# Allegro board 038RT-9068CJK8E-A100_0921_1.brd (continued)
## Nets (continued)
SG0_P5_TXD2: GOLD0.L18(P5_TXD2) K228.3 SG0_P5_TXD2.1(TP)
SG0_P5_TXD3: GOLD0.L19(P5_TXD3) RR923.2 SG0_P5_TXD3.1(TP)
SG0_P5_TXEN: GOLD0.J19(P5_TXEN) RR925.2 SG0_P5_TXEN.1(TP)
SG0_P5_VDDIO: BDG10.1 CG140.1 CG141.1 CG150.1 CG151.1 CG152.1 GOLD0.D18(P5_VDDIO[01]) GOLD0.H18(P5_VDDIO[02]) GOLD0.H19(P5_VDDIO[03])
SG0_P6_CLKREQB: GOLD0.U1(P6_CLKREQB) SG0_P6_CLKREQB.1(TP)
SG0_P6_HSI+: CS107.2 GOLD0.W6(P6_HSIP)
SG0_P6_HSI-: CS108.2 GOLD0.W5(P6_HSIN)
SG0_P6_HSO+: CS102.2 GOLD0.W3(P6_HSOP)
SG0_P6_HSO-: CS101.2 GOLD0.W4(P6_HSON)
SG0_P6_ISOLATEB: GOLD0.U2(P6_ISOLATEB) RSG104.1
SG0_P6_LANWAKEB: GOLD0.T2(P6_LANWAKEB) SG0_P6_LANWAKEB.1(TP)
SG0_P6_LED: GOLD0.M15(P6_LED) SG0_P6_LED.1(TP)
SG0_P6_MDI+: GOLD0.B6(P6_MDIP) T20.3
SG0_P6_MDI-: GOLD0.B5(P6_MDIN) T20.4
SG0_P6_PCIE_RESETB: GOLD0.V1(P6_PCIE_RESETB) RSG105.1
SG0_P6_REFCLK+: GOLD0.V2(P6_REFCLK_P) SG0_P6_REFCLK+.1(TP)
SG0_P6_REFCLK-: GOLD0.V3(P6_REFCLK_N) SG0_P6_REFCLK-.1(TP)
SG0_P7_CLKREQB: GOLD0.R5(P7_CLKREQB) SG0_P7_CLKREQB.1(TP)
SG0_P7_HSI+: CS117.2 GOLD0.W11(P7_HSIP)
SG0_P7_HSI-: CS118.2 GOLD0.W10(P7_HSIN)
SG0_P7_HSO+: CS112.2 GOLD0.W8(P7_HSOP)
SG0_P7_HSO-: CS111.2 GOLD0.W9(P7_HSON)
SG0_P7_ISOLATEB: GOLD0.T4(P7_ISOLATEB) RSG114.1
SG0_P7_LANWAKEB: GOLD0.R4(P7_LANWAKEB) SG0_P7_LANWAKEB.1(TP)
SG0_P7_PCIE_RESETB: GOLD0.T5(P7_PCIE_RESETB) RSG115.1
SG0_P7_REFCLK+: GOLD0.V6(P7_REFCLK_P) SG0_P7_REFCLK+.1(TP)
SG0_P7_REFCLK-: GOLD0.V7(P7_REFCLK_N) SG0_P7_REFCLK-.1(TP)
SG0_PGATE: GOLD0.H5(PGATE) R580.1
SG0_PH_GPIOA_1: RD180.2 RG21.2 SG0_GPIOA1_2.1
SG0_PH_GPIOA_2: RD181.2 RG22.2 SG0_GPIOA1_2.3
SG0_RESETB: GOLD0.T1(RESETB) R70.1 R584.1
SG0_RSET: GOLD0.A10(RSET) R69.1
SG0_RTT: GOLD0.D11(RTT_CKDIG) R56.1
SG0_SPI_CSB: GOLD0.L16(SPI_CSB) RG73.1
SG0_SPI_SCK: GOLD0.P16(SPI_SCK) RG75.1
SG0_SPI_SI: GOLD0.R16(SPI_SIO0) RG76.1
SG0_SPI_SO: GOLD0.M16(SPI_SIO1) RG74.1
SG0_SRC_DVDD09: BDG1.2 BDG2.2 BDG19.2 BDG20.2 CG20.1 CG21.1 CG22.1 CG23.1 CG24.1 CG25.1 CG45.1 CG46.1 CG47.1 CG48.1 CG49.1 CG50.1 CG109.1 CG110.1 CG169.1 CG170.1 CG171.1 CG172.1 CG173.1 CG174.1 CG178.1 CG179.1 CS3.1 CS4.1 RS7.2 S0_DPS_AVDD09.2 S0_DPS_DVDD09.2
SG0_SRC_DVDD33: BDG5.2 BDG8.2 BDG9.2 BDG10.2 C18.1 C19.1 C292.1 CG74.1 CG75.1 CG76.1 CG77.1 CG78.1 CG79.1 CG93.1 CG94.1 CG95.1 CG97.1 CG111.1 CG112.1 CG113.1 CG115.1 CG116.1 CG117.1 CG118.1 CG119.1 CG120.1 CG121.1 CG122.1 CG123.1 CG124.1 CG125.1 CG126.1 CG135.1 CG144.1 CG149.1 CG154.1 CG155.1 CG156.1 CG158.1 CG159.1 CG167.1 CG180.1 CG181.1 CG182.1 CG183.1 R45.2 R46.2 R60.2 R61.2 R63.2 R64.2 R66.2 R67.2 R68.2 R70.2 R71.2 R263.2 R342.2 R344.2 R350.1 R351.2 R554.2 R563.2 R564.2 R565.2 R566.2 R586.2 RG32.2 RG42.2 RG64.2 RG72.2 RS104.1 RS114.1 S0_DPS_AVDD33.2 S0_DPS_DVDD33.2 S0_DPS_GPIO_P015.2 S0_DPS_LDOIN.2
SG0_SWR09_OFFLINE: CS2.1 LX1.2 RB7.1 RS7.1
SG0_TAPSL0: GOLD0.P2(TAPSL0) R45.1 R281.1
SG0_TAPSL1: GOLD0.R2(TAPSL1) R46.1 R282.1
SG0_TCT: C324.1 T13.10(TCT2) T13.15(TCT1)
SG0_U1_FE_MDI+: GOLD0.B8(FE_MDIPA) T13.11(TD2+)
SG0_U1_FE_MDI-: GOLD0.B7(FE_MDINA) T13.9(TD2-)
SG0_U1_FE_MDIX+: GOLD0.A7(FE_MDIPB) T13.16(TD1+)
SG0_U1_FE_MDIX-: GOLD0.A6(FE_MDINB) T13.14(TD1-)
SG0_U2_FE_MDI+: T13.6(MX2+) U6.27(A8)
SG0_U2_FE_MDI-: T13.8(MX2-) U6.28(A9)
SG0_U2_FE_MDIX+: T13.1(MX1+) U6.21(A6)
SG0_U2_FE_MDIX-: T13.3(MX1-) U6.22(A7)
SG0_U3_FE_MDI+: CON3.1(DA+) U6.39(8B1)
SG0_U3_FE_MDI-: CON3.2(DA-) U6.38(9B1)
SG0_U3_FE_MDIX+: CON3.3(DB+) U6.45(6B1)
SG0_U3_FE_MDIX-: CON3.6(DB-) U6.44(7B1)
SG0_U4_GIGA_MDI+: GPHY2.1 K145.3(A0-)
SG0_U4_GIGA_MDI-: GPHY2.2 K145.2(A0+)
SG0_VBAT: CG326.1 CG327.1 GOLD0.G7(VBAT) RG1.1 SG0_VBAT.1(TP)
SG0_VDC: C13.1 R18.1 S0_PH_VBAT.2 SG0_VDC.1(TP)
SG0_VO09: GOLD0.G4(VO09) R583.1
SG0_VSENSE: GOLD0.F4(VSENSE) R582.1
SG0_WAKE: GOLD0.K4(WAKE) R26.1
SG0_WP: GOLD0.K16(SPI_SIO2) RG77.1
SG1_1_P0_MDI+: UNK1C180.1 UNK1T2.1
SG1_1_P0_MDI-: UNK1C179.1 UNK1T2.2
SG1_1_P1_MDI+: UNK1C184.1 UNK1T3.1
SG1_1_P1_MDI-: UNK1C183.1 UNK1T3.2
SG1_1_P1_TXD0: UNK1K225.4 UNK1RR520.2
SG1_1_P1_TXD1: UNK1K225.5 UNK1RR521.2
SG1_1_P1_TXD2: UNK1K226.4 UNK1RR522.2
SG1_1_P1_TXD3: UNK1K226.5 UNK1RR523.2
SG1_1_P2_GIGA_MDI+: UNK1C422.1 UNK1T24.1
SG1_1_P2_GIGA_MDI-: UNK1C421.1 UNK1T24.2
SG1_1_P3_GIGA_MDI+: UNK1C431.1 UNK1T25.1
SG1_1_P3_GIGA_MDI-: UNK1C430.1 UNK1T25.2
SG1_1_P5_MDI+: UNK1C401.1 UNK1T21.2
SG1_1_P5_MDI-: UNK1C405.1 UNK1T21.1
SG1_1_P5_TXD0: UNK1K227.4 UNK1RR920.2
SG1_1_P5_TXD1: UNK1K227.5 UNK1RR921.2
SG1_1_P5_TXD2: UNK1K228.4 UNK1RR922.2
SG1_1_P6_MDI+: UNK1C407.1 UNK1T20.2
SG1_1_P6_MDI-: UNK1C402.1 UNK1T20.1
SG1_2_P0_MDI+: UNK1C180.2 UNK1R139.1 UNK1U18.6
SG1_2_P0_MDI-: UNK1C179.2 UNK1R140.1 UNK1U18.7
SG1_2_P0_RC: UNK1C181.1 UNK1R6.1 UNK1R139.2 UNK1R140.2
SG1_2_P1_MDI+: UNK1C184.2 UNK1R141.1 UNK1U18.12
SG1_2_P1_MDI-: UNK1C183.2 UNK1R142.1 UNK1U18.13
SG1_2_P1_RC: UNK1C182.1 UNK1R7.1 UNK1R141.2 UNK1R142.2
SG1_2_P2_GIGA_MDI+: UNK1C422.2 UNK1K144.15 UNK1R517.1
SG1_2_P2_GIGA_MDI-: UNK1C421.2 UNK1K144.16 UNK1R518.1
SG1_2_P2_RC: UNK1C427.1 UNK1R517.2 UNK1R518.2 UNK1R519.1
SG1_2_P3_GIGA_MDI+: UNK1C431.2 UNK1K144.6 UNK1R536.1
SG1_2_P3_GIGA_MDI-: UNK1C430.2 UNK1K144.7 UNK1R537.1
SG1_2_P3_RC: UNK1C436.1 UNK1R536.2 UNK1R537.2 UNK1R538.1
SG1_2_P5_MDI+: UNK1C401.2 UNK1R474.1 UNK1U18.18
SG1_2_P5_MDI-: UNK1C405.2 UNK1R470.1 UNK1U18.19
SG1_2_P5_RC: UNK1C406.1 UNK1R9.1 UNK1R470.2 UNK1R474.2
SG1_2_P6_MDI+: UNK1C407.2 UNK1R475.1 UNK1U18.21
SG1_2_P6_MDI-: UNK1C402.2 UNK1R473.1 UNK1U18.22
SG1_2_P6_RC: UNK1C399.1 UNK1R19.1 UNK1R473.2 UNK1R475.2
SG1_3_P2_GIGA_MDI+: UNK1K144.27 UNK1K145.33
SG1_3_P2_GIGA_MDI-: UNK1K144.26 UNK1K145.34
SG1_3_P3_GIGA_MDI+: UNK1K144.36 UNK1K145.37
SG1_3_P3_GIGA_MDI-: UNK1K144.35 UNK1K145.38
SG1_3PI_P0_MDI+: UNK1MQS1.6 UNK1U18.61
SG1_3PI_P0_MDI-: UNK1MQS1.7 UNK1U18.60
SG1_3PI_P1_MDI+: UNK1MQS1.15 UNK1U18.55
SG1_3PI_P1_MDI-: UNK1MQS1.16 UNK1U18.54
SG1_3PI_P5_MDI+: UNK1MQS1.8 UNK1U18.49
SG1_3PI_P5_MDI-: UNK1MQS1.9 UNK1U18.48
SG1_3PI_P6_MDI+: UNK1MQS1.17 UNK1U18.45
SG1_3PI_P6_MDI-: UNK1MQS1.18 UNK1U18.44
SG1_AT+: GOLD1.B15(ATP) UNK1R579.1
SG1_AT-: GOLD1.B16(ATN) UNK1R578.1
SG1_AVDD09: GOLD1.A8(AVDD09_FE[01]) GOLD1.D8(AVDD09_FE[02]) GOLD1.D15(AVDD09_MCK[01]) GOLD1.D16(AVDD09_GIGA[01]) GOLD1.E4(AVDD09[01]) GOLD1.E5(AVDD09[02]) GOLD1.E15(AVDD09_MCK[02]) GOLD1.E16(AVDD09_GIGA[02]) GOLD1.T13(AVDD09_SGMII[01]) GOLD1.T14(AVDD09_SGMII[02]) GOLD1.V4(AVDD09_RX[01]) GOLD1.V5(AVDD09_RX[02]) GOLD1.V8(AVDD09_CMU[01]) GOLD1.V9(AVDD09_CMU[02]) GOLD1.V10(AVDD09_TX[01]) GOLD1.V11(AVDD09_TX[02]) SG1_AVDD09.1(TP) UNK1BDG2.1 UNK1CG26.1 UNK1CG27.1 UNK1CG28.1 UNK1CG29.1 UNK1CG30.1 UNK1CG31.1 UNK1CG32.1 UNK1CG33.1 UNK1CG34.1 UNK1CG35.1 UNK1CG36.1 UNK1CG37.1 UNK1CG38.1 UNK1CG39.1 UNK1CG40.1 UNK1CG41.1 UNK1CG42.1 UNK1CG43.1 UNK1CG44.1 UNK1CG82.1 UNK1CG86.1
SG1_AVDD33: GOLD1.B12(AVDD33_XTAL[01]) GOLD1.B13(AVDD33_XTAL[02]) GOLD1.B14(AVDD33_CEN) GOLD1.B17(AVDD33_MCK[01]) GOLD1.B18(AVDD33_MCK[02]) GOLD1.D4(AVDD33[01]) GOLD1.D5(AVDD33[02]) GOLD1.D6(AVDD33_DIG[01]) GOLD1.D7(AVDD33_FE[01]) GOLD1.E6(AVDD33_DIG[02]) GOLD1.E7(AVDD33_FE[02]) GOLD1.E11(AVDD33_CKDIG) GOLD1.F15(AVDD33_P2[01]) GOLD1.F16(AVDD33_P3[01]) GOLD1.G5(AVDD33_PCTL) GOLD1.G15(AVDD33_P2[02]) GOLD1.G16(AVDD33_P3[02]) GOLD1.T9(AVDD33_CMU[01]) GOLD1.T10(AVDD33_CMU[02]) GOLD1.T15(AVDD33_SGMII[01]) GOLD1.T16(AVDD33_SGMII[02]) GOLD1.V16(AVDD33_SGMII[03]) SG1_AVDD33.1(TP) UNK1CG51.1 UNK1CG52.1 UNK1CG53.1 UNK1CG54.1 UNK1CG55.1 UNK1CG56.1 UNK1CG57.1 UNK1CG58.1 UNK1CG59.1 UNK1CG60.1 UNK1CG61.1 UNK1CG62.1 UNK1CG63.1 UNK1CG64.1 UNK1CG65.1 UNK1CG66.1 UNK1CG67.1 UNK1CG68.1 UNK1CG69.1 UNK1CG70.1 UNK1CG71.1 UNK1CG72.1 UNK1CG73.1 UNK1CG87.1 UNK1CG88.1 UNK1RG32.1
SG1_AVDD33_MOSFET: GOLD1.J5(AVDD33MOSFET) SG1_AVDD33_MOSFET.1(TP) UNK1BDG5.1 UNK1CG90.1 UNK1CG96.1 UNK1CG114.1
SG1_C_P4_HSI+: UNK1CS64.1 UNK1K184.35
SG1_C_P4_HSI-: UNK1CS63.1 UNK1K184.36
SG1_C_P4_HSO+: UNK1CS62.1 UNK1K184.37
SG1_C_P4_HSO-: UNK1CS61.1 UNK1K184.38
SG1_C_P5_HSI+: UNK1CS74.1 UNK1K184.26
SG1_C_P5_HSI-: UNK1CS73.1 UNK1K184.27
SG1_C_P5_HSO+: UNK1CS72.1 UNK1K184.28
SG1_C_P5_HSO-: UNK1CS71.1 UNK1K184.29
SG1_C_P6_HSI+: UNK1CS107.1 UNK1K217.27
SG1_C_P6_HSI-: UNK1CS108.1 UNK1K217.26
SG1_C_P6_HSO+: UNK1CS102.1 UNK1K214.26
SG1_C_P6_HSO-: UNK1CS101.1 UNK1K214.27
SG1_C_P7_HSI+: UNK1CS117.1 UNK1K217.29
SG1_C_P7_HSI-: UNK1CS118.1 UNK1K217.28
SG1_C_P7_HSO+: UNK1CS112.1 UNK1K214.28
SG1_C_P7_HSO-: UNK1CS111.1 UNK1K214.29
SG1_CKXTAL1: GOLD1.A13(XI) UNK1C75.2 UNK1Y6.3
SG1_CKXTAL2: GOLD1.A12(XO) UNK1C76.2 UNK1Y6.1
SG1_DCH_TDO: GOLD1.H16(TDO) MUX16.3(S2A)
SG1_DISB: GOLD1.R1(DISB) UNK1R71.1
SG1_DVDD09: GOLD1.G8(DVDD09[01]) GOLD1.H9(DVDD09[02]) GOLD1.J9(DVDD09[03]) GOLD1.K9(DVDD09[04]) GOLD1.L9(DVDD09[05]) GOLD1.M10(DVDD09[06]) GOLD1.M11(DVDD09[07]) GOLD1.M12(DVDD09[08]) GOLD1.N10(DVDD09[09]) GOLD1.N11(DVDD09[10]) GOLD1.N12(DVDD09[11]) SG1_DVDD09.1(TP) UNK1BDG1.1 UNK1BDG19.1 UNK1BDG20.1 UNK1CG1.1 UNK1CG2.1 UNK1CG3.1 UNK1CG4.1 UNK1CG5.1 UNK1CG6.1 UNK1CG7.1 UNK1CG8.1 UNK1CG9.1 UNK1CG10.1 UNK1CG11.1 UNK1CG12.1 UNK1CG13.1 UNK1CG14.1 UNK1CG15.1 UNK1CG16.1 UNK1CG17.1 UNK1CG18.1 UNK1CG19.1 UNK1CG80.1 UNK1CG81.1
SG1_DVDD33: GOLD1.M13(DVDD33[01]) GOLD1.N13(DVDD33[02]) SG1_DVDD33.1(TP) UNK1CG83.1 UNK1CG84.1 UNK1CG85.1 UNK1CG89.1 UNK1CG91.1 UNK1CG92.1 UNK1CG100.1 UNK1CG142.1 UNK1RG42.1
SG1_FE_LED0: GOLD1.N15(FE_LED0) SG1_FE_LED0.1(TP)
SG1_FE_LED1: GOLD1.P15(FE_LED1) SG1_FE_LED1.1(TP)
SG1_GPIO_VDDIO: GOLD1.L7(GPIO0_VDDIO) GOLD1.M9(GPIO1_VDDIO) GOLD1.R6(MAC_VDDIO[01]) GOLD1.R15(SPI_VDDIO) GOLD1.T6(MAC_VDDIO[02]) SG1_GPIO_VDDIO.1(TP) UNK1CG108.1 UNK1CG127.1 UNK1CG128.1 UNK1CG129.1 UNK1CG130.1 UNK1CG131.1 UNK1CG132.1 UNK1CG133.1 UNK1CG134.1 UNK1CG143.1 UNK1RG64.1
SG1_GPIOA_0: GOLD1.L1(GPIOA_0) SG1_GPIOA_0.1(TP)
SG1_GPIOA_1: GOLD1.M1(GPIOA_1) UNK1R348.1 UNK1RG21.1
SG1_GPIOA_2: GOLD1.N1(GPIOA_2) UNK1R347.1 UNK1RG22.1
SG1_GPIOA_3: GOLD1.P1(GPIOA_3) SG1_GPIOA3.1(TP) UNK1R60.1 UNK1R552.2
SG1_GPIOB_0: GOLD1.L2(GPIOB_0) UNK1R61.1 UNK1R264.1
SG1_GPIOB_1: GOLD1.M2(GPIOB_1) UNK1R62.1 UNK1R263.1
SG1_GPIOB_2: GOLD1.N2(GPIOB_2) UNK1R553.1
SG1_GPIOC_0: GOLD1.L4(GPIOC_0) UNK1R63.1 UNK1R568.1
SG1_GPIOC_1: GOLD1.L5(GPIOC_1) UNK1R64.1 UNK1R569.1
SG1_GPIOC_2: GOLD1.M4(GPIOC_2) UNK1R66.1 UNK1R570.1
SG1_GPIOC_3: GOLD1.M5(GPIOC_3) UNK1R68.1 UNK1R571.1
SG1_GPIOC_4: GOLD1.N4(GPIOC_4) UNK1R67.1 UNK1R572.1
SG1_GPIOC_5: GOLD1.N5(GPIOC_5) UNK1R554.1 UNK1R573.1
SG1_GPIOD_0: GOLD1.P4(GPIOD_0) UNK1R555.1
SG1_GPIOD_1: GOLD1.P5(GPIOD_1) UNK1R556.1
SG1_GPIOD_2: GOLD1.R9(GPIOD_2) UNK1R557.1
SG1_GPIOE_0: GOLD1.R7(GPIOE_0) UNK1R558.1
SG1_GPIOE_1: GOLD1.R8(GPIOE_1) UNK1R559.1
SG1_GPIOE_2: GOLD1.N7(GPIOE_2) UNK1R560.1
SG1_GPIOE_3: GOLD1.M7(GPIOE_3) UNK1R561.1
SG1_GPIOE_4: GOLD1.N8(GPIOE_4) UNK1R562.1
SG1_GPIOF_0: GOLD1.M8(GPIOF_0) UNK1R563.1 UNK1R577.1
SG1_GPIOF_1: GOLD1.L8(GPIOF_1) UNK1R564.1 UNK1R576.1
SG1_GPIOF_2: GOLD1.K8(GPIOF_2) UNK1R565.1 UNK1R575.1
SG1_GPIOF_3: GOLD1.J8(GPIOF_3) UNK1R566.1 UNK1R574.1
SG1_GPIOF_4: GOLD1.N9(GPIOF_4) UNK1R567.1
SG1_HL_P1_TXD0: UNK1K225.2 UNK1RRG51.1 UNK1RRG52.1
SG1_HL_P1_TXD1: UNK1K225.7 UNK1RRG53.1 UNK1RRG54.1
SG1_HL_P1_TXD2: UNK1K226.2 UNK1RRG55.1 UNK1RRG56.1
SG1_HL_P1_TXD3: UNK1K226.7 UNK1RRG57.1 UNK1RRG58.1
SG1_HL_P5_TXD0: UNK1K227.2 UNK1RRG91.1 UNK1RRG92.1
SG1_HL_P5_TXD1: UNK1K227.7 UNK1RRG93.1 UNK1RRG94.1
SG1_HL_P5_TXD2: UNK1K228.2 UNK1RRG95.1 UNK1RRG96.1
SG1_HOLD: GOLD1.N16(SPI_SIO3) UNK1RG78.1
SG1_INH: GOLD1.J4(INH) SG1_INH.1(TP) UNK1R24.1
SG1_LDOIN: GOLD1.H12(P5_LDOIN[01]) GOLD1.H13(P1_LDOIN[01]) GOLD1.J7(P0_LDOIN[01]) GOLD1.J12(P5_LDOIN[02]) GOLD1.J13(P1_LDOIN[02]) GOLD1.K7(P0_LDOIN[02]) SG1_LDOIN.1(TP) UNK1CG98.1 UNK1CG99.1 UNK1CG161.1 UNK1CG162.1 UNK1CG163.1 UNK1CG164.1 UNK1CG165.1 UNK1CG166.1 UNK1RG72.1
SG1_MCT1: UNK1R135.1 UNK1T13.2
SG1_MCT2: UNK1R136.1 UNK1T13.7
SG1_MCT_RC: UNK1C119.1 UNK1R135.2 UNK1R136.2
SG1_NGATE: GOLD1.F5(NGATE) UNK1R581.1
SG1_P0_LDOOUT: GOLD1.H7(P0_LDOOUT[01]) GOLD1.H8(P0_LDOOUT[02]) SG1_P0_LDOOUT.1(TP) UNK1CG101.1
SG1_P0_LED: GOLD1.H15(P0_LED) SG1_P0_LED.1(TP)
SG1_P0_MDI+: GOLD1.A3(P0_MDIP) UNK1T2.4
SG1_P0_MDI-: GOLD1.A2(P0_MDIN) UNK1T2.3
SG1_P0_RXC: GOLD1.G1(P0_RXC) SG1_P0_RXC.1(TP) UNK1K181.7
SG1_P0_RXD0: GOLD1.K2(P0_RXD0) SG1_P0_RXD0.1(TP) UNK1K180.7
SG1_P0_RXD1: GOLD1.K1(P0_RXD1) SG1_P0_RXD1.1(TP) UNK1K181.2
SG1_P0_RXD2: GOLD1.J2(P0_RXD2) SG1_P0_RXD2.1(TP) UNK1K182.2
SG1_P0_RXD3: GOLD1.J1(P0_RXD3) SG1_P0_RXD3.1(TP) UNK1K183.2
SG1_P0_RXDV: GOLD1.H2(P0_RXDV) SG1_P0_RXDV.1(TP) UNK1K180.2
SG1_P0_TESTD: GOLD1.G2(P0_TESTD) UNK1RRG49.1
SG1_P0_TXC: GOLD1.E2(P0_TXC) SG1_P0_TXC.1(TP) UNK1K233.2
SG1_P0_TXD0: GOLD1.D2(P0_TXD0) SG1_P0_TXD0.1(TP) UNK1K182.7
SG1_P0_TXD1: GOLD1.D1(P0_TXD1) SG1_P0_TXD1.1(TP) UNK1K231.7
SG1_P0_TXD2: GOLD1.C2(P0_TXD2) SG1_P0_TXD2.1(TP) UNK1K233.7
SG1_P0_TXD3: GOLD1.C1(P0_TXD3) SG1_P0_TXD3.1(TP) UNK1K232.2
SG1_P0_TXEN: GOLD1.E1(P0_TXEN) SG1_P0_TXEN.1(TP) UNK1K232.7
SG1_P0_VDDIO: GOLD1.B1(P0_VDDIO[01]) GOLD1.F1(P0_VDDIO[02]) GOLD1.F2(P0_VDDIO[03]) UNK1BDG8.1 UNK1CG104.1 UNK1CG105.1 UNK1CG136.1 UNK1CG137.1 UNK1CG138.1 UNK1CG139.1
SG1_P1_LDOOUT: GOLD1.K13(P1_LDOOUT[01]) GOLD1.L13(P1_LDOOUT[02]) SG1_P1_LDOOUT.1(TP) UNK1CG102.1
SG1_P1_LED: GOLD1.J16(P1_LED) SG1_P1_LED.1(TP)
SG1_P1_MDI+: GOLD1.B4(P1_MDIP) UNK1T3.4
SG1_P1_MDI-: GOLD1.B3(P1_MDIN) UNK1T3.3
SG1_P1_RXC: GOLD1.R18(P1_RXC) SG1_P1_RXC.1(TP) UNK1RR504.2
SG1_P1_RXD0: GOLD1.M18(P1_RXD0) SG1_P1_RXD0.1(TP) UNK1RR500.2
SG1_P1_RXD1: GOLD1.M19(P1_RXD1) SG1_P1_RXD1.1(TP) UNK1RR501.2
SG1_P1_RXD2: GOLD1.N18(P1_RXD2) SG1_P1_RXD2.1(TP) UNK1RR502.2
SG1_P1_RXD3: GOLD1.N19(P1_RXD3) SG1_P1_RXD3.1(TP) UNK1RR503.2
SG1_P1_RXDV: GOLD1.P18(P1_RXDV) SG1_P1_RXDV.1(TP) UNK1RR505.2
SG1_P1_TESTD: GOLD1.U18(P1_TESTD) UNK1RRG59.1
SG1_P1_TXC: GOLD1.T19(P1_TXC) SG1_P1_TXC.1(TP) UNK1RR524.2
SG1_P1_TXD0: GOLD1.V19(P1_TXD0) SG1_P1_TXD0.1(TP) UNK1K225.3
SG1_P1_TXD1: GOLD1.V18(P1_TXD1) SG1_P1_TXD1.1(TP) UNK1K225.6
SG1_P1_TXD2: GOLD1.W18(P1_TXD2) SG1_P1_TXD2.1(TP) UNK1K226.3
SG1_P1_TXD3: GOLD1.V17(P1_TXD3) SG1_P1_TXD3.1(TP) UNK1K226.6
SG1_P1_TXEN: GOLD1.U19(P1_TXEN) SG1_P1_TXEN.1(TP) UNK1RR525.2
SG1_P1_VDDIO: GOLD1.R19(P1_VDDIO[01]) GOLD1.T18(P1_VDDIO[02]) UNK1BDG9.1 UNK1CG106.1 UNK1CG107.1 UNK1CG145.1 UNK1CG146.1 UNK1CG147.1 UNK1CG148.1
SG1_P2_GIGA_MDI+: GOLD1.A16(P2_GIGA_MDIP) UNK1T24.4
SG1_P2_GIGA_MDI-: GOLD1.A15(P2_GIGA_MDIN) UNK1T24.3
SG1_P2_LED: GOLD1.J15(P2_LED) SG1_P2_LED.1(TP)
SG1_P3_GIGA_MDI+: GOLD1.A18(P3_GIGA_MDIP) UNK1T25.4
SG1_P3_GIGA_MDI-: GOLD1.A17(P3_GIGA_MDIN) UNK1T25.3
SG1_P3_LED: GOLD1.K15(P3_LED) SG1_P3_LED.1(TP)
SG1_P4_HSI+: GOLD1.V12(P4_HSIP) UNK1CS64.2
SG1_P4_HSI-: GOLD1.V13(P4_HSIN) UNK1CS63.2
SG1_P4_HSO+: GOLD1.W13(P4_HSOP) UNK1CS62.2
SG1_P4_HSO-: GOLD1.W14(P4_HSON) UNK1CS61.2
SG1_P5_HSI+: GOLD1.V14(P5_HSIP) UNK1CS74.2
SG1_P5_HSI-: GOLD1.V15(P5_HSIN) UNK1CS73.2
SG1_P5_HSO+: GOLD1.W15(P5_HSOP) UNK1CS72.2
SG1_P5_HSO-: GOLD1.W16(P5_HSON) UNK1CS71.2
SG1_P5_LDOOUT: GOLD1.K12(P5_LDOOUT[01]) GOLD1.L12(P5_LDOOUT[02]) SG1_P5_LDOOUT.1(TP) UNK1CG103.1
SG1_P5_LED: GOLD1.L15(P5_LED) SG1_P5_LED.1(TP)
SG1_P5_MDI+: GOLD1.A5(P5_MDIP) UNK1T21.3
SG1_P5_MDI-: GOLD1.A4(P5_MDIN) UNK1T21.4
SG1_P5_RXC: GOLD1.G19(P5_RXC) SG1_P5_RXC.1(TP) UNK1RR904.2
SG1_P5_RXD0: GOLD1.D19(P5_RXD0) SG1_P5_RXD0.1(TP) UNK1RR900.2
SG1_P5_RXD1: GOLD1.E18(P5_RXD1) SG1_P5_RXD1.1(TP) UNK1RR901.2
SG1_P5_RXD2: GOLD1.E19(P5_RXD2) SG1_P5_RXD2.1(TP) UNK1RR902.2
SG1_P5_RXD3: GOLD1.F18(P5_RXD3) SG1_P5_RXD3.1(TP) UNK1RR903.2
SG1_P5_RXDV: GOLD1.F19(P5_RXDV) SG1_P5_RXDV.1(TP) UNK1RR905.2
SG1_P5_TXC: GOLD1.J18(P5_TXC) SG1_P5_TXC.1(TP) UNK1RR924.2
SG1_P5_TXD0: GOLD1.K18(P5_TXD0) SG1_P5_TXD0.1(TP) UNK1K227.3
SG1_P5_TXD1: GOLD1.K19(P5_TXD1) SG1_P5_TXD1.1(TP) UNK1K227.6
SG1_P5_TXD2: GOLD1.L18(P5_TXD2) SG1_P5_TXD2.1(TP) UNK1K228.3
SG1_P5_TXD3: GOLD1.L19(P5_TXD3) SG1_P5_TXD3.1(TP) UNK1RR923.2
SG1_P5_TXEN: GOLD1.J19(P5_TXEN) SG1_P5_TXEN.1(TP) UNK1RR925.2
SG1_P5_VDDIO: GOLD1.D18(P5_VDDIO[01]) GOLD1.H18(P5_VDDIO[02]) GOLD1.H19(P5_VDDIO[03]) UNK1BDG10.1 UNK1CG140.1 UNK1CG141.1 UNK1CG150.1 UNK1CG151.1 UNK1CG152.1
SG1_P6_CLKREQB: GOLD1.U1(P6_CLKREQB) SG1_P6_CLKREQB.1(TP)
SG1_P6_HSI+: GOLD1.W6(P6_HSIP) UNK1CS107.2
SG1_P6_HSI-: GOLD1.W5(P6_HSIN) UNK1CS108.2
SG1_P6_HSO+: GOLD1.W3(P6_HSOP) UNK1CS102.2
SG1_P6_HSO-: GOLD1.W4(P6_HSON) UNK1CS101.2
SG1_P6_ISOLATEB: GOLD1.U2(P6_ISOLATEB) UNK1RSG104.1
SG1_P6_LANWAKEB: GOLD1.T2(P6_LANWAKEB) SG1_P6_LANWAKEB.1(TP)
SG1_P6_LED: GOLD1.M15(P6_LED) SG1_P6_LED.1(TP)
SG1_P6_MDI+: GOLD1.B6(P6_MDIP) UNK1T20.3
SG1_P6_MDI-: GOLD1.B5(P6_MDIN) UNK1T20.4
SG1_P6_PCIE_RESETB: GOLD1.V1(P6_PCIE_RESETB) UNK1RSG105.1
SG1_P6_REFCLK+: GOLD1.V2(P6_REFCLK_P) SG1_P6_REFCLK+.1(TP)
SG1_P6_REFCLK-: GOLD1.V3(P6_REFCLK_N) SG1_P6_REFCLK-.1(TP)
SG1_P7_CLKREQB: GOLD1.R5(P7_CLKREQB) SG1_P7_CLKREQB.1(TP)
SG1_P7_HSI+: GOLD1.W11(P7_HSIP) UNK1CS117.2
SG1_P7_HSI-: GOLD1.W10(P7_HSIN) UNK1CS118.2
SG1_P7_HSO+: GOLD1.W8(P7_HSOP) UNK1CS112.2
SG1_P7_HSO-: GOLD1.W9(P7_HSON) UNK1CS111.2
SG1_P7_ISOLATEB: GOLD1.T4(P7_ISOLATEB) UNK1RSG114.1
SG1_P7_LANWAKEB: GOLD1.R4(P7_LANWAKEB) SG1_P7_LANWAKEB.1(TP)
SG1_P7_PCIE_RESETB: GOLD1.T5(P7_PCIE_RESETB) UNK1RSG115.1
SG1_P7_REFCLK+: GOLD1.V6(P7_REFCLK_P) SG1_P7_REFCLK+.1(TP)
SG1_P7_REFCLK-: GOLD1.V7(P7_REFCLK_N) SG1_P7_REFCLK-.1(TP)
SG1_PGATE: GOLD1.H5(PGATE) UNK1R580.1
SG1_PH_GPIOA_1: SG1_GPIOA1_2.1 UNK1RD180.2 UNK1RG21.2
SG1_PH_GPIOA_2: SG1_GPIOA1_2.3 UNK1RD181.2 UNK1RG22.2
SG1_RESETB: GOLD1.T1(RESETB) UNK1R70.1 UNK1R584.1
SG1_RSET: GOLD1.A10(RSET) UNK1R69.1
SG1_RTT: GOLD1.D11(RTT_CKDIG) UNK1R56.1
SG1_SPI_CSB: GOLD1.L16(SPI_CSB) UNK1RG73.1
SG1_SPI_SCK: GOLD1.P16(SPI_SCK) UNK1RG75.1
SG1_SPI_SI: GOLD1.R16(SPI_SIO0) UNK1RG76.1
SG1_SPI_SO: GOLD1.M16(SPI_SIO1) UNK1RG74.1
SG1_SRC_DVDD09: S1_DPS_AVDD09.2 S1_DPS_DVDD09.2 UNK1BDG1.2 UNK1BDG2.2 UNK1BDG19.2 UNK1BDG20.2 UNK1CG20.1 UNK1CG21.1 UNK1CG22.1 UNK1CG23.1 UNK1CG24.1 UNK1CG25.1 UNK1CG45.1 UNK1CG46.1 UNK1CG47.1 UNK1CG48.1 UNK1CG49.1 UNK1CG50.1 UNK1CG109.1 UNK1CG110.1 UNK1CG169.1 UNK1CG170.1 UNK1CG171.1 UNK1CG172.1 UNK1CG173.1 UNK1CG174.1 UNK1CG178.1 UNK1CG179.1 UNK1CS3.1 UNK1CS4.1 UNK1RS7.2
SG1_SRC_DVDD33: S1_DPS_AVDD33.2 S1_DPS_DVDD33.2 S1_DPS_GPIO_P015.2 S1_DPS_LDOIN.2 UNK1BDG5.2 UNK1BDG8.2 UNK1BDG9.2 UNK1BDG10.2 UNK1C18.1 UNK1C19.1 UNK1C292.1 UNK1CG74.1 UNK1CG75.1 UNK1CG76.1 UNK1CG77.1 UNK1CG78.1 UNK1CG79.1 UNK1CG93.1 UNK1CG94.1 UNK1CG95.1 UNK1CG97.1 UNK1CG111.1 UNK1CG112.1 UNK1CG113.1 UNK1CG115.1 UNK1CG116.1 UNK1CG117.1 UNK1CG118.1 UNK1CG119.1 UNK1CG120.1 UNK1CG121.1 UNK1CG122.1 UNK1CG123.1 UNK1CG124.1 UNK1CG125.1 UNK1CG126.1 UNK1CG135.1 UNK1CG144.1 UNK1CG149.1 UNK1CG154.1 UNK1CG155.1 UNK1CG156.1 UNK1CG158.1 UNK1CG159.1 UNK1CG167.1 UNK1CG180.1 UNK1CG181.1 UNK1CG182.1 UNK1CG183.1 UNK1R45.2 UNK1R46.2 UNK1R60.2 UNK1R61.2 UNK1R63.2 UNK1R64.2 UNK1R66.2 UNK1R67.2 UNK1R68.2 UNK1R70.2 UNK1R71.2 UNK1R263.2 UNK1R342.2 UNK1R344.2 UNK1R350.1 UNK1R351.2 UNK1R554.2 UNK1R563.2 UNK1R564.2 UNK1R565.2 UNK1R566.2 UNK1R586.2 UNK1RG32.2 UNK1RG42.2 UNK1RG64.2 UNK1RG72.2 UNK1RS104.1 UNK1RS114.1
SG1_SWR09_OFFLINE: UNK1CS2.1 UNK1LX1.2 UNK1RB7.1 UNK1RS7.1
SG1_TAPSL0: GOLD1.P2(TAPSL0) UNK1R45.1 UNK1R281.1
SG1_TAPSL1: GOLD1.R2(TAPSL1) UNK1R46.1 UNK1R282.1
SG1_TCT: UNK1C324.1 UNK1T13.10 UNK1T13.15
SG1_U1_FE_MDI+: GOLD1.B8(FE_MDIPA) UNK1T13.11
SG1_U1_FE_MDI-: GOLD1.B7(FE_MDINA) UNK1T13.9
SG1_U1_FE_MDIX+: GOLD1.A7(FE_MDIPB) UNK1T13.16
SG1_U1_FE_MDIX-: GOLD1.A6(FE_MDINB) UNK1T13.14
SG1_U2_FE_MDI+: UNK1T13.6 UNK1U6.27
SG1_U2_FE_MDI-: UNK1T13.8 UNK1U6.28
SG1_U2_FE_MDIX+: UNK1T13.1 UNK1U6.21
SG1_U2_FE_MDIX-: UNK1T13.3 UNK1U6.22
SG1_U3_FE_MDI+: UNK1CON3.1 UNK1U6.39
SG1_U3_FE_MDI-: UNK1CON3.2 UNK1U6.38
SG1_U3_FE_MDIX+: UNK1CON3.3 UNK1U6.45
SG1_U3_FE_MDIX-: UNK1CON3.6 UNK1U6.44
SG1_U4_GIGA_MDI+: UNK1GPHY2.1 UNK1K145.3
SG1_U4_GIGA_MDI-: UNK1GPHY2.2 UNK1K145.2
SG1_VBAT: GOLD1.G7(VBAT) SG1_VBAT.1(TP) UNK1CG326.1 UNK1CG327.1 UNK1RG1.1
SG1_VDC: S1_PH_VBAT.2 SG1_VDC.1(TP) UNK1C13.1 UNK1R18.1
SG1_VO09: GOLD1.G4(VO09) UNK1R583.1
SG1_VSENSE: GOLD1.F4(VSENSE) UNK1R582.1
SG1_WAKE: GOLD1.K4(WAKE) UNK1R26.1
SG1_WP: GOLD1.K16(SPI_SIO2) UNK1RG77.1
SG2_1_P0_MDI+: UNK2C180.1 UNK2T2.1
SG2_1_P0_MDI-: UNK2C179.1 UNK2T2.2
SG2_1_P1_MDI+: UNK2C184.1 UNK2T3.1
SG2_1_P1_MDI-: UNK2C183.1 UNK2T3.2
SG2_1_P1_TXD0: UNK2K225.4 UNK2RR520.2
SG2_1_P1_TXD1: UNK2K225.5 UNK2RR521.2
SG2_1_P1_TXD2: UNK2K226.4 UNK2RR522.2
SG2_1_P1_TXD3: UNK2K226.5 UNK2RR523.2
SG2_1_P2_GIGA_MDI+: UNK2C422.1 UNK2T24.1
SG2_1_P2_GIGA_MDI-: UNK2C421.1 UNK2T24.2
SG2_1_P3_GIGA_MDI+: UNK2C431.1 UNK2T25.1
SG2_1_P3_GIGA_MDI-: UNK2C430.1 UNK2T25.2
SG2_1_P5_MDI+: UNK2C401.1 UNK2T21.2
SG2_1_P5_MDI-: UNK2C405.1 UNK2T21.1
SG2_1_P5_TXD0: UNK2K227.4 UNK2RR920.2
SG2_1_P5_TXD1: UNK2K227.5 UNK2RR921.2
SG2_1_P5_TXD2: UNK2K228.4 UNK2RR922.2
SG2_1_P6_MDI+: UNK2C407.1 UNK2T20.2
SG2_1_P6_MDI-: UNK2C402.1 UNK2T20.1
SG2_2_P0_MDI+: UNK2C180.2 UNK2R139.1 UNK2U18.6
SG2_2_P0_MDI-: UNK2C179.2 UNK2R140.1 UNK2U18.7
SG2_2_P0_RC: UNK2C181.1 UNK2R6.1 UNK2R139.2 UNK2R140.2
SG2_2_P1_MDI+: UNK2C184.2 UNK2R141.1 UNK2U18.12
SG2_2_P1_MDI-: UNK2C183.2 UNK2R142.1 UNK2U18.13
SG2_2_P1_RC: UNK2C182.1 UNK2R7.1 UNK2R141.2 UNK2R142.2
SG2_2_P2_GIGA_MDI+: UNK2C422.2 UNK2K144.15 UNK2R517.1
SG2_2_P2_GIGA_MDI-: UNK2C421.2 UNK2K144.16 UNK2R518.1
SG2_2_P2_RC: UNK2C427.1 UNK2R517.2 UNK2R518.2 UNK2R519.1
SG2_2_P3_GIGA_MDI+: UNK2C431.2 UNK2K144.6 UNK2R536.1
SG2_2_P3_GIGA_MDI-: UNK2C430.2 UNK2K144.7 UNK2R537.1
SG2_2_P3_RC: UNK2C436.1 UNK2R536.2 UNK2R537.2 UNK2R538.1
SG2_2_P5_MDI+: UNK2C401.2 UNK2R474.1 UNK2U18.18
SG2_2_P5_MDI-: UNK2C405.2 UNK2R470.1 UNK2U18.19
SG2_2_P5_RC: UNK2C406.1 UNK2R9.1 UNK2R470.2 UNK2R474.2
SG2_2_P6_MDI+: UNK2C407.2 UNK2R475.1 UNK2U18.21
SG2_2_P6_MDI-: UNK2C402.2 UNK2R473.1 UNK2U18.22
SG2_2_P6_RC: UNK2C399.1 UNK2R19.1 UNK2R473.2 UNK2R475.2
SG2_3_P2_GIGA_MDI+: UNK2K144.27 UNK2K145.33
SG2_3_P2_GIGA_MDI-: UNK2K144.26 UNK2K145.34
SG2_3_P3_GIGA_MDI+: UNK2K144.36 UNK2K145.37
SG2_3_P3_GIGA_MDI-: UNK2K144.35 UNK2K145.38
SG2_3PI_P0_MDI+: UNK2MQS1.6 UNK2U18.61
SG2_3PI_P0_MDI-: UNK2MQS1.7 UNK2U18.60
SG2_3PI_P1_MDI+: UNK2MQS1.15 UNK2U18.55
SG2_3PI_P1_MDI-: UNK2MQS1.16 UNK2U18.54
SG2_3PI_P5_MDI+: UNK2MQS1.8 UNK2U18.49
SG2_3PI_P5_MDI-: UNK2MQS1.9 UNK2U18.48
SG2_3PI_P6_MDI+: UNK2MQS1.17 UNK2U18.45
SG2_3PI_P6_MDI-: UNK2MQS1.18 UNK2U18.44
SG2_AT+: GOLD2.B15(ATP) UNK2R579.1
SG2_AT-: GOLD2.B16(ATN) UNK2R578.1
SG2_AVDD09: GOLD2.A8(AVDD09_FE[01]) GOLD2.D8(AVDD09_FE[02]) GOLD2.D15(AVDD09_MCK[01]) GOLD2.D16(AVDD09_GIGA[01]) GOLD2.E4(AVDD09[01]) GOLD2.E5(AVDD09[02]) GOLD2.E15(AVDD09_MCK[02]) GOLD2.E16(AVDD09_GIGA[02]) GOLD2.T13(AVDD09_SGMII[01]) GOLD2.T14(AVDD09_SGMII[02]) GOLD2.V4(AVDD09_RX[01]) GOLD2.V5(AVDD09_RX[02]) GOLD2.V8(AVDD09_CMU[01]) GOLD2.V9(AVDD09_CMU[02]) GOLD2.V10(AVDD09_TX[01]) GOLD2.V11(AVDD09_TX[02]) SG2_AVDD09.1(TP) UNK2BDG2.1 UNK2CG26.1 UNK2CG27.1 UNK2CG28.1 UNK2CG29.1 UNK2CG30.1 UNK2CG31.1 UNK2CG32.1 UNK2CG33.1 UNK2CG34.1 UNK2CG35.1 UNK2CG36.1 UNK2CG37.1 UNK2CG38.1 UNK2CG39.1 UNK2CG40.1 UNK2CG41.1 UNK2CG42.1 UNK2CG43.1 UNK2CG44.1 UNK2CG82.1 UNK2CG86.1
SG2_AVDD33: GOLD2.B12(AVDD33_XTAL[01]) GOLD2.B13(AVDD33_XTAL[02]) GOLD2.B14(AVDD33_CEN) GOLD2.B17(AVDD33_MCK[01]) GOLD2.B18(AVDD33_MCK[02]) GOLD2.D4(AVDD33[01]) GOLD2.D5(AVDD33[02]) GOLD2.D6(AVDD33_DIG[01]) GOLD2.D7(AVDD33_FE[01]) GOLD2.E6(AVDD33_DIG[02]) GOLD2.E7(AVDD33_FE[02]) GOLD2.E11(AVDD33_CKDIG) GOLD2.F15(AVDD33_P2[01]) GOLD2.F16(AVDD33_P3[01]) GOLD2.G5(AVDD33_PCTL) GOLD2.G15(AVDD33_P2[02]) GOLD2.G16(AVDD33_P3[02]) GOLD2.T9(AVDD33_CMU[01]) GOLD2.T10(AVDD33_CMU[02]) GOLD2.T15(AVDD33_SGMII[01]) GOLD2.T16(AVDD33_SGMII[02]) GOLD2.V16(AVDD33_SGMII[03]) SG2_AVDD33.1(TP) UNK2CG51.1 UNK2CG52.1 UNK2CG53.1 UNK2CG54.1 UNK2CG55.1 UNK2CG56.1 UNK2CG57.1 UNK2CG58.1 UNK2CG59.1 UNK2CG60.1 UNK2CG61.1 UNK2CG62.1 UNK2CG63.1 UNK2CG64.1 UNK2CG65.1 UNK2CG66.1 UNK2CG67.1 UNK2CG68.1 UNK2CG69.1 UNK2CG70.1 UNK2CG71.1 UNK2CG72.1 UNK2CG73.1 UNK2CG87.1 UNK2CG88.1 UNK2RG32.1
SG2_AVDD33_MOSFET: GOLD2.J5(AVDD33MOSFET) SG2_AVDD33_MOSFET.1(TP) UNK2BDG5.1 UNK2CG90.1 UNK2CG96.1 UNK2CG114.1
SG2_C_P4_HSI+: UNK2CS64.1 UNK2K184.35
SG2_C_P4_HSI-: UNK2CS63.1 UNK2K184.36
SG2_C_P4_HSO+: UNK2CS62.1 UNK2K184.37
SG2_C_P4_HSO-: UNK2CS61.1 UNK2K184.38
SG2_C_P5_HSI+: UNK2CS74.1 UNK2K184.26
SG2_C_P5_HSI-: UNK2CS73.1 UNK2K184.27
SG2_C_P5_HSO+: UNK2CS72.1 UNK2K184.28
SG2_C_P5_HSO-: UNK2CS71.1 UNK2K184.29
SG2_C_P6_HSI+: UNK2CS107.1 UNK2K217.27
SG2_C_P6_HSI-: UNK2CS108.1 UNK2K217.26
SG2_C_P6_HSO+: UNK2CS102.1 UNK2K214.26
SG2_C_P6_HSO-: UNK2CS101.1 UNK2K214.27
SG2_C_P7_HSI+: UNK2CS117.1 UNK2K217.29
SG2_C_P7_HSI-: UNK2CS118.1 UNK2K217.28
SG2_C_P7_HSO+: UNK2CS112.1 UNK2K214.28
SG2_C_P7_HSO-: UNK2CS111.1 UNK2K214.29
SG2_CKXTAL1: GOLD2.A13(XI) UNK2C75.2 UNK2Y6.3
SG2_CKXTAL2: GOLD2.A12(XO) UNK2C76.2 UNK2Y6.1
SG2_DCH_TDO: GOLD2.H16(TDO) MUX16.4(S3A)
SG2_DISB: GOLD2.R1(DISB) UNK2R71.1
SG2_DVDD09: GOLD2.G8(DVDD09[01]) GOLD2.H9(DVDD09[02]) GOLD2.J9(DVDD09[03]) GOLD2.K9(DVDD09[04]) GOLD2.L9(DVDD09[05]) GOLD2.M10(DVDD09[06]) GOLD2.M11(DVDD09[07]) GOLD2.M12(DVDD09[08]) GOLD2.N10(DVDD09[09]) GOLD2.N11(DVDD09[10]) GOLD2.N12(DVDD09[11]) SG2_DVDD09.1(TP) UNK2BDG1.1 UNK2BDG19.1 UNK2BDG20.1 UNK2CG1.1 UNK2CG2.1 UNK2CG3.1 UNK2CG4.1 UNK2CG5.1 UNK2CG6.1 UNK2CG7.1 UNK2CG8.1 UNK2CG9.1 UNK2CG10.1 UNK2CG11.1 UNK2CG12.1 UNK2CG13.1 UNK2CG14.1 UNK2CG15.1 UNK2CG16.1 UNK2CG17.1 UNK2CG18.1 UNK2CG19.1 UNK2CG80.1 UNK2CG81.1